# Altium PCB BetaPCB.PcbDoc (part 1 of 2)
Units mil, origin at the board's own origin, x right, y up, seen from the top; angles counter-clockwise.
Board outline 6399.21 x 5314.96 mil, 4 copper layers (Top Layer1, Inner Layer2, Inner Layer3, Bottom Layer4), stack 60.912 mil thick; 153 components, 99 nets, 653 pads, 600 vias.
Unrouted connection lines stored in the file: 55.
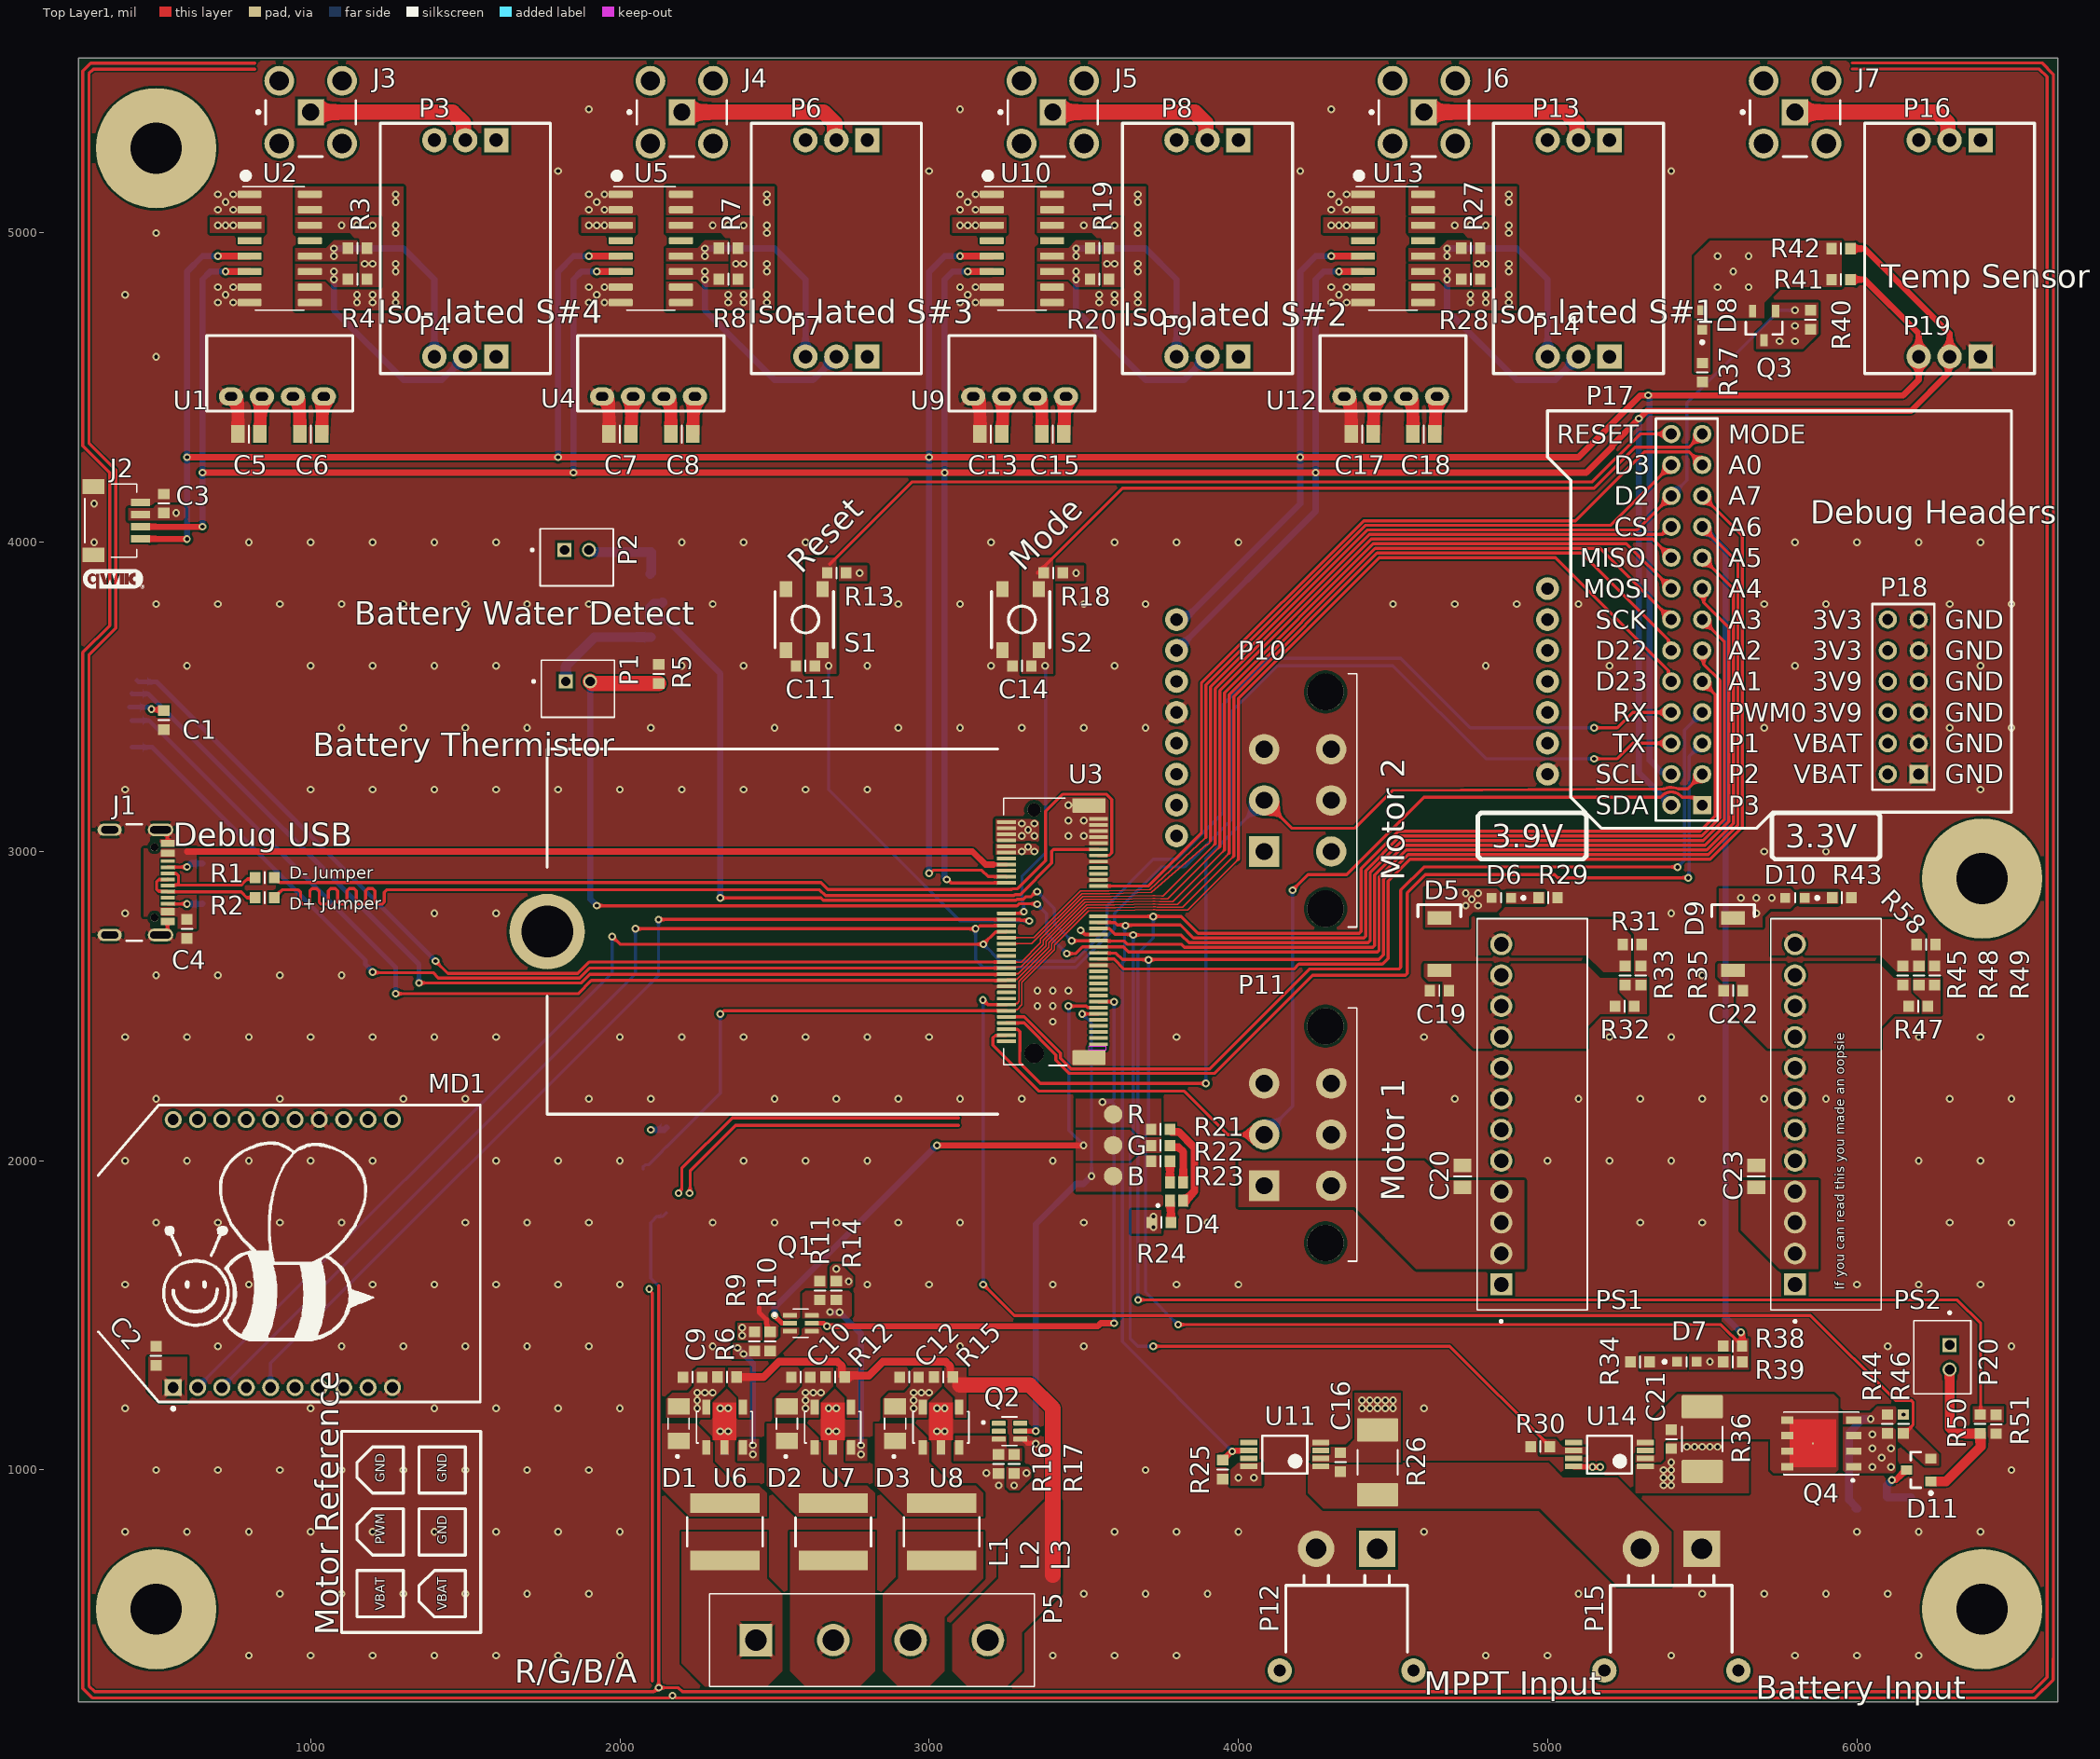
[diagram p0: Top Layer1 view]
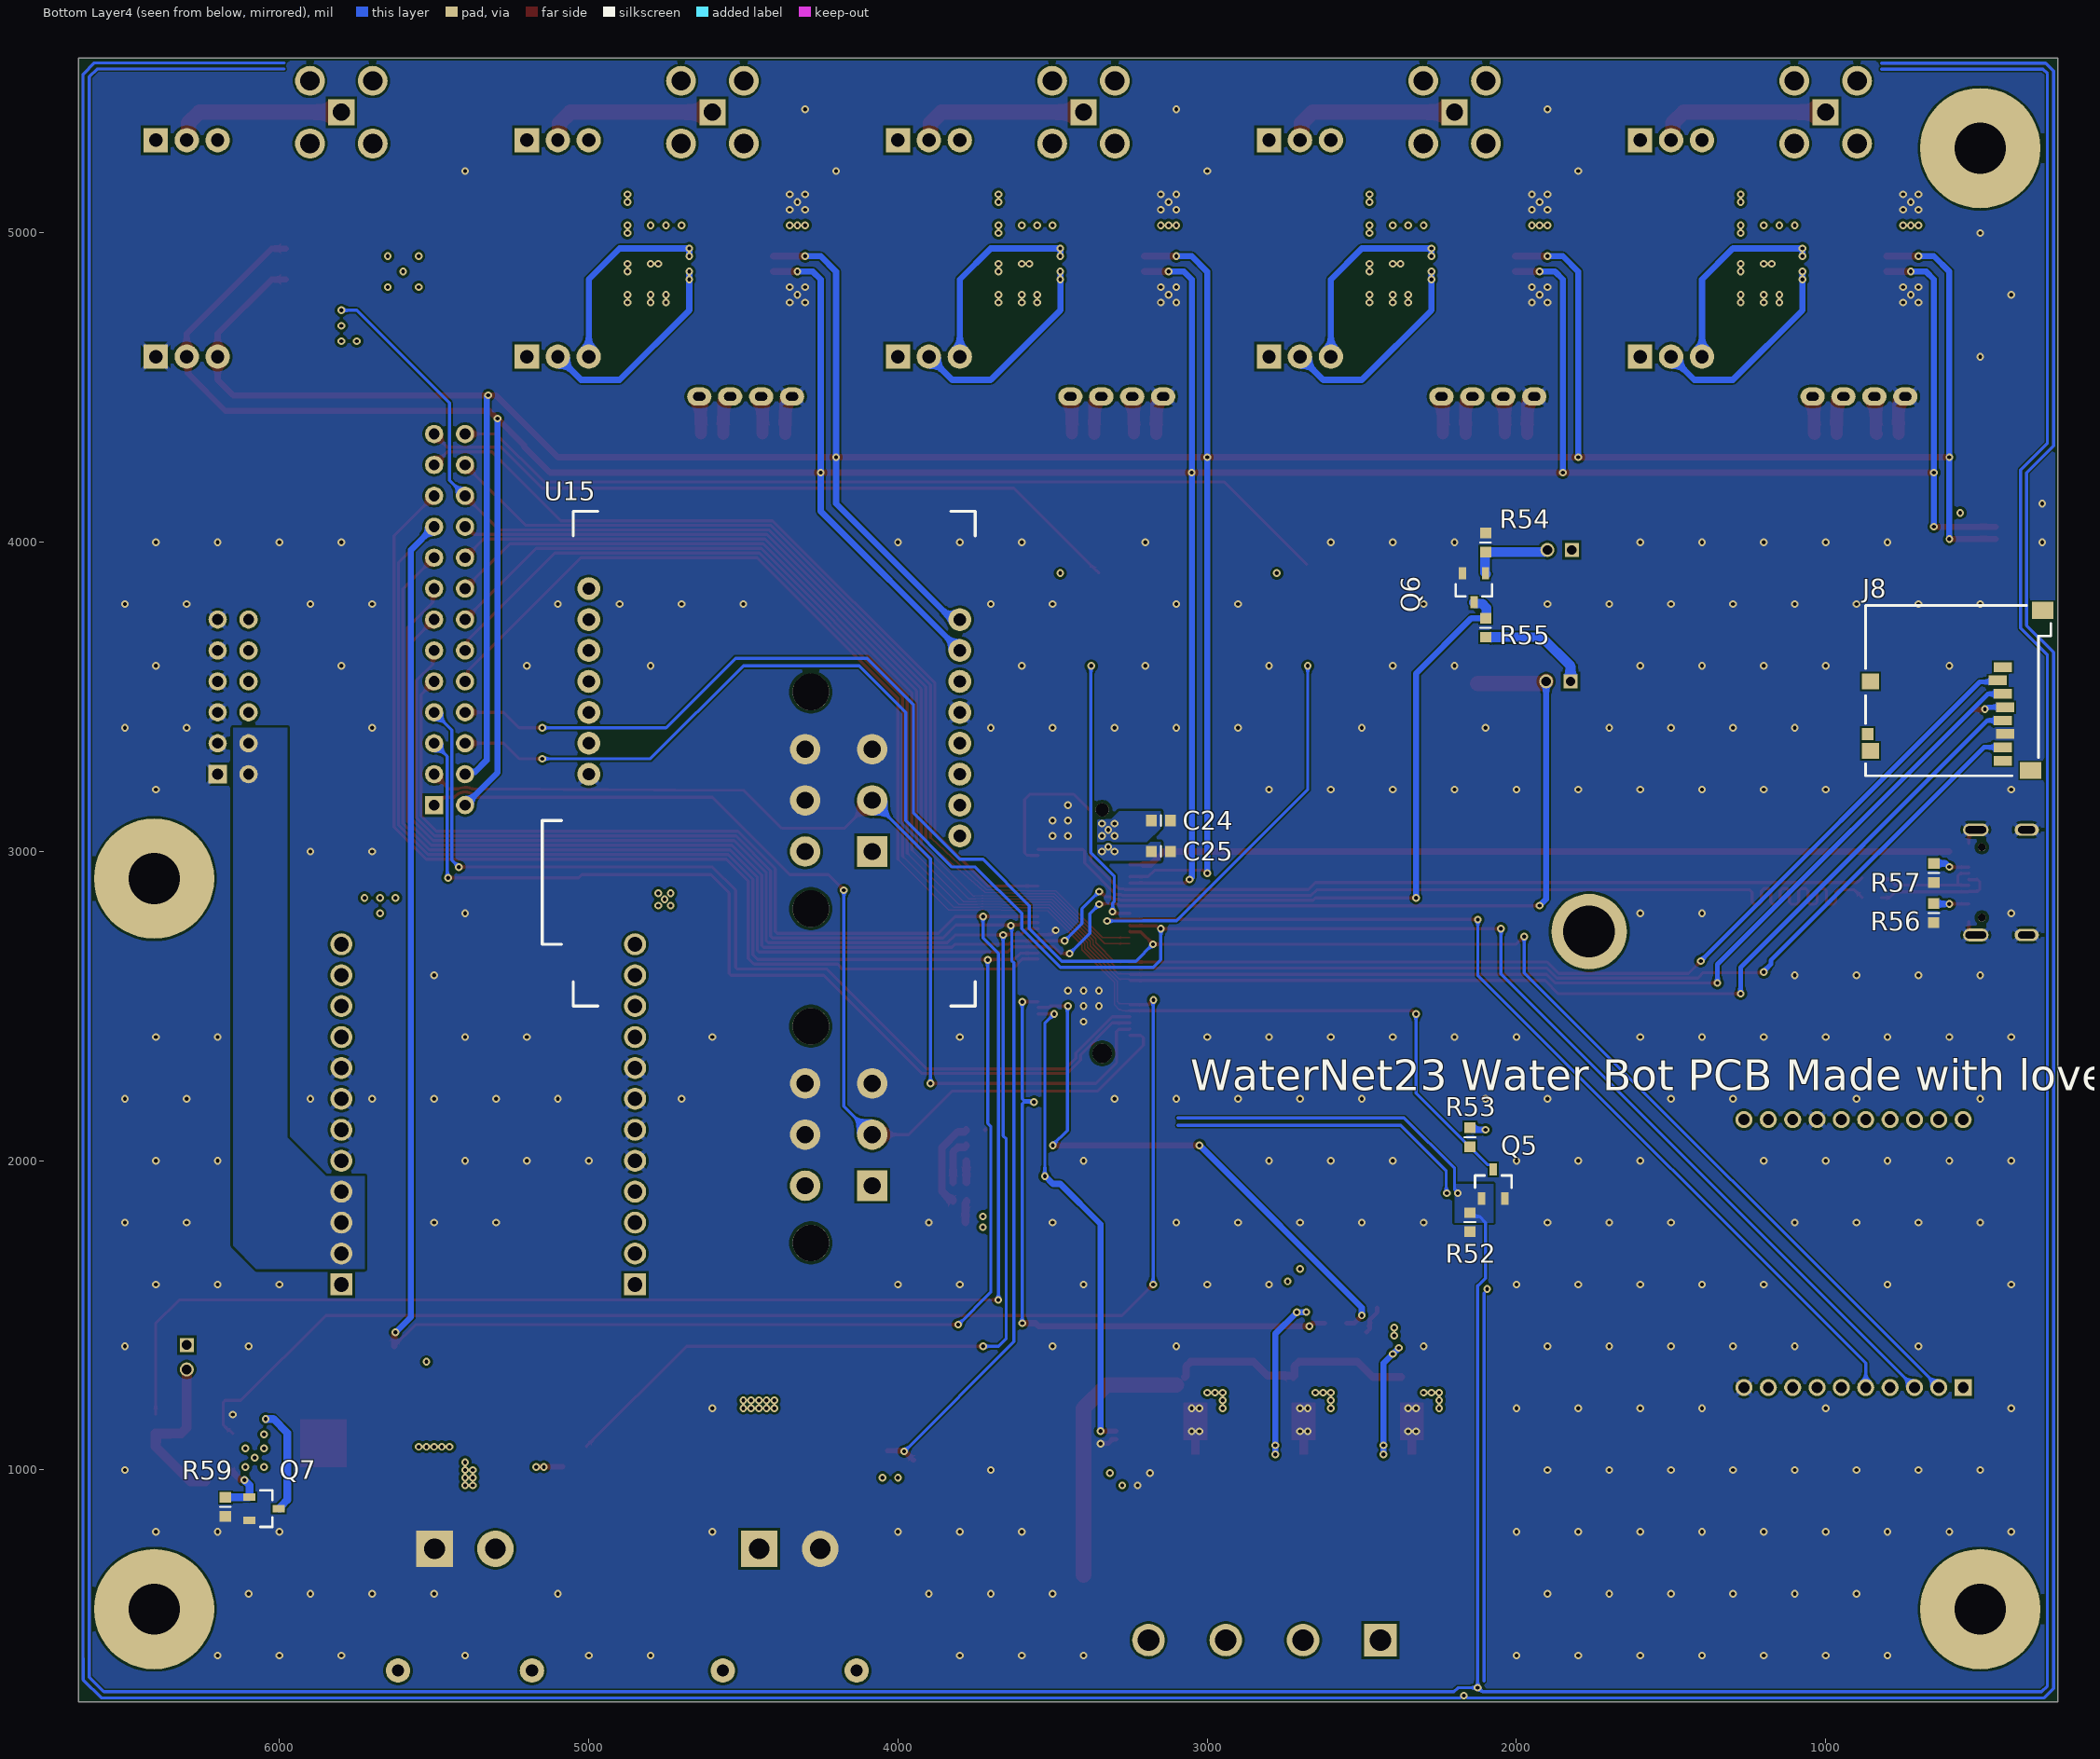
[diagram p1: Bottom Layer4 view, seen from below]
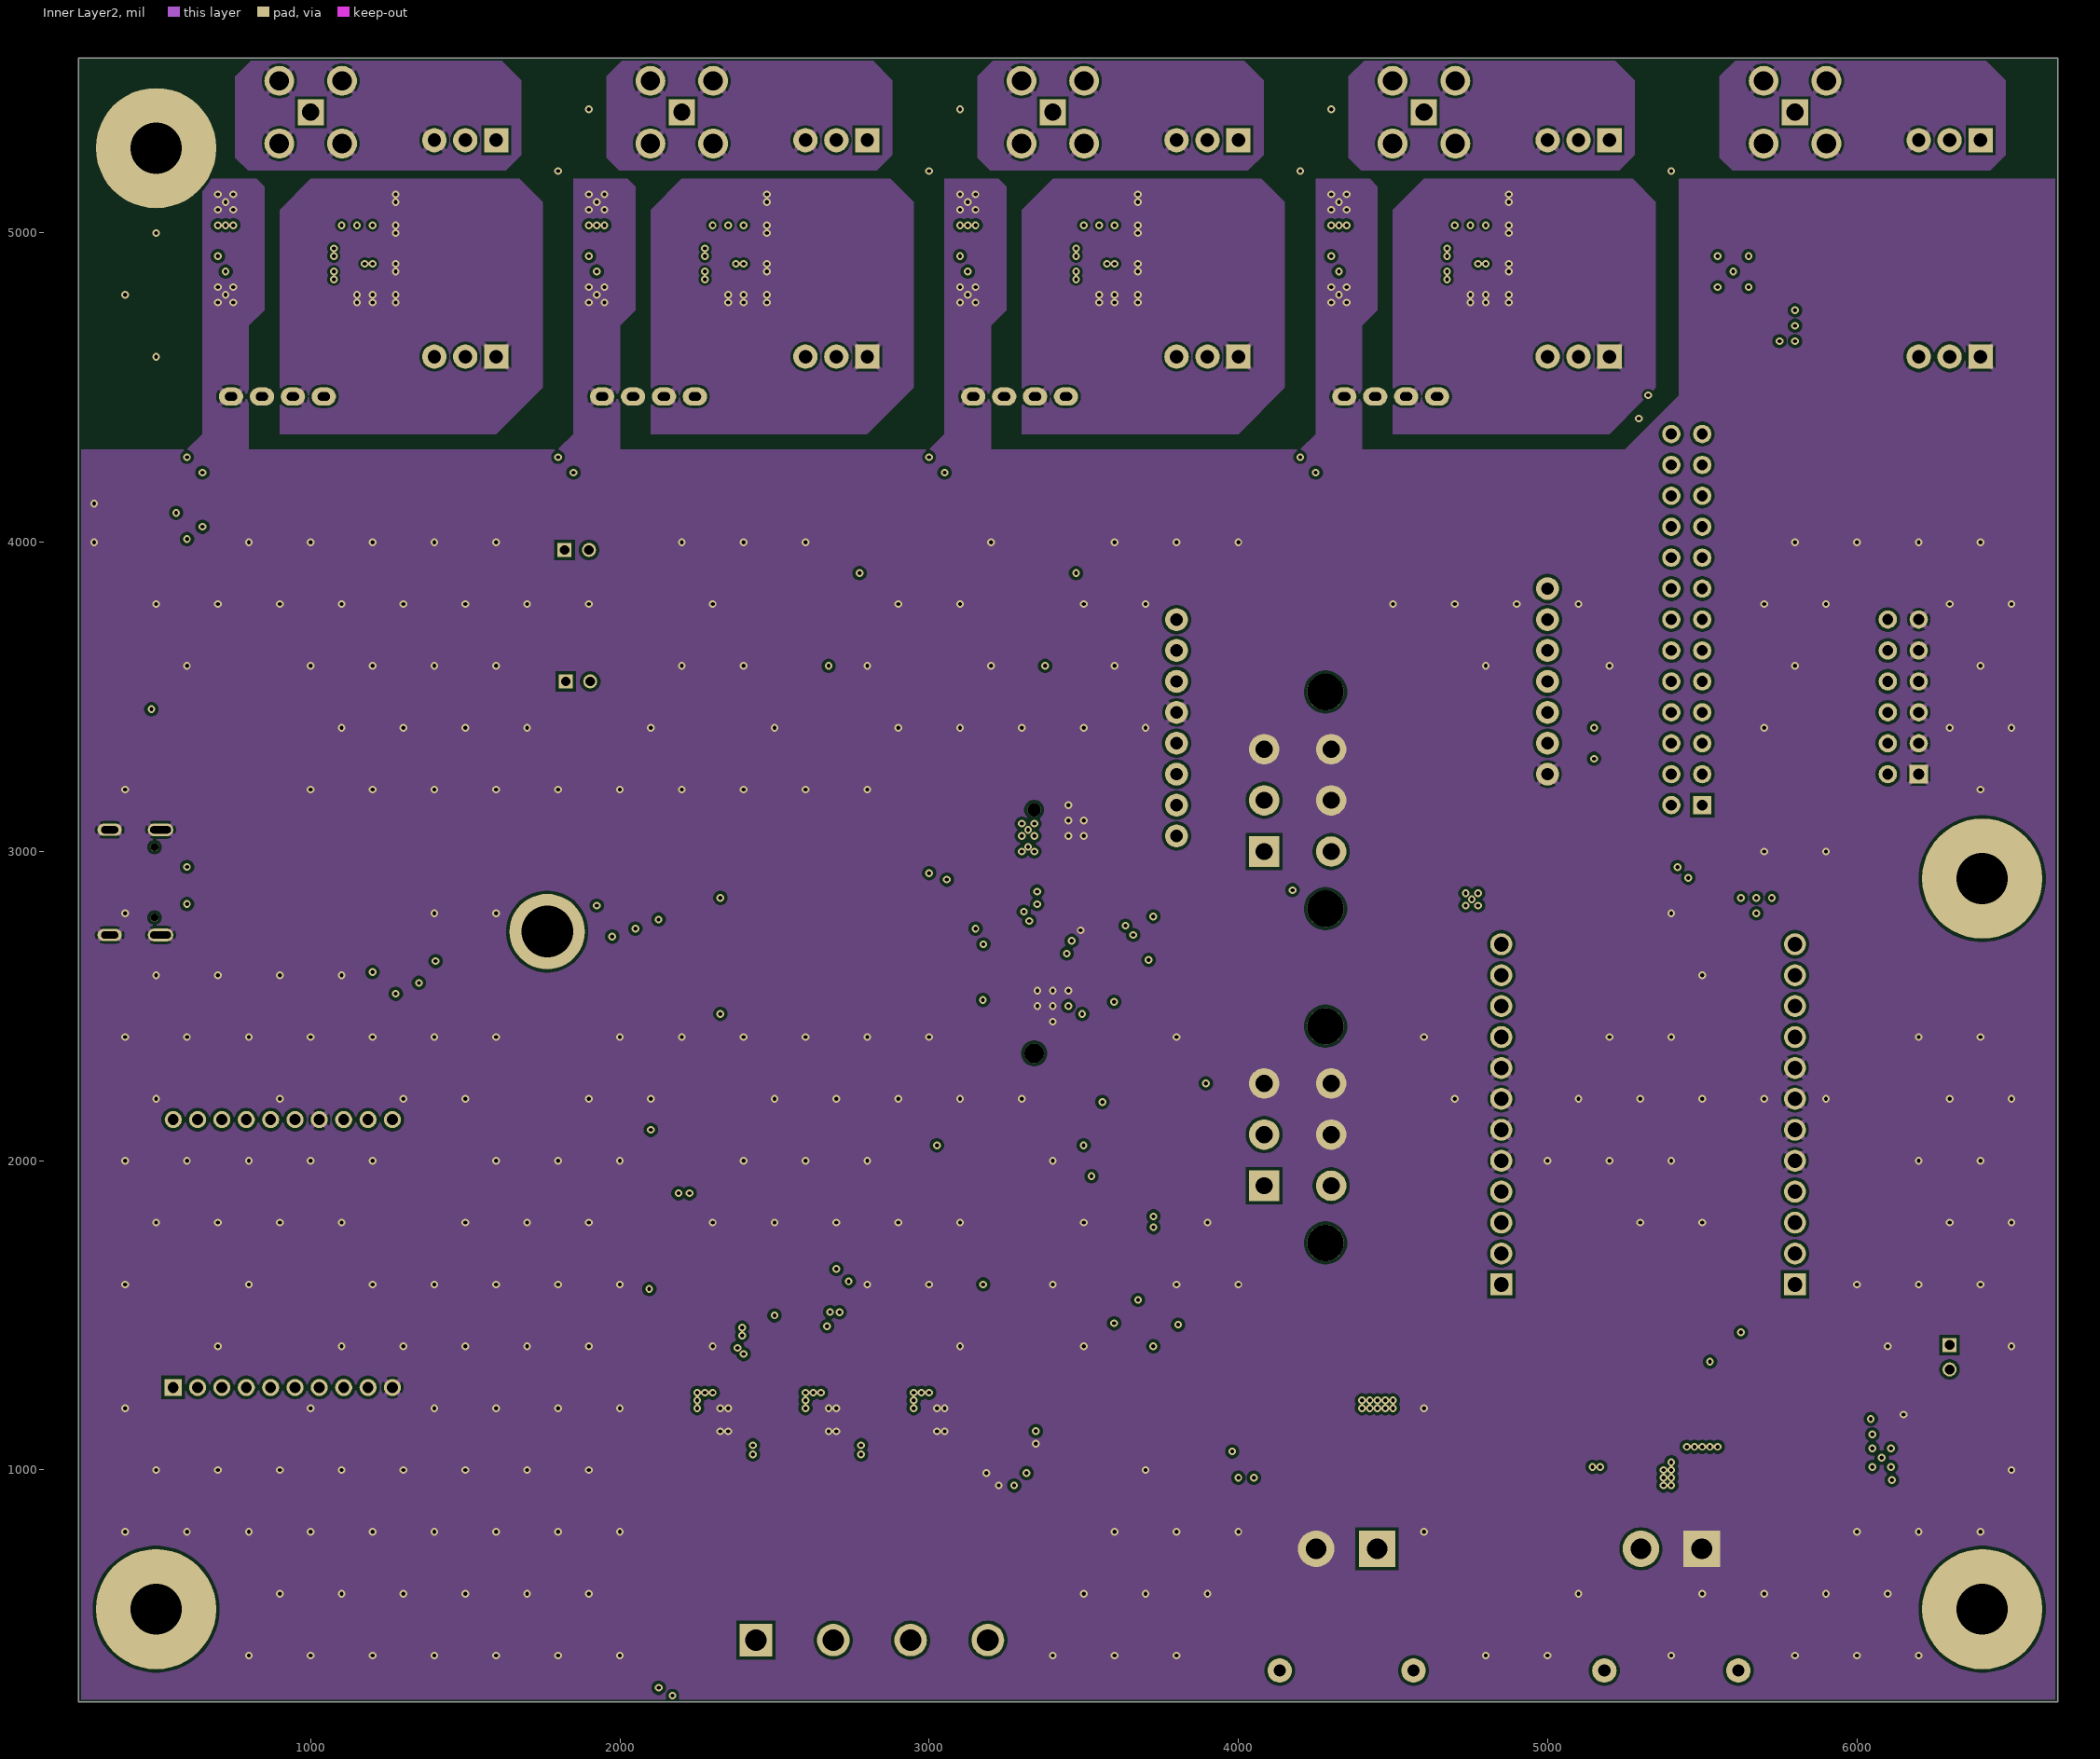
[diagram p2: Inner Layer2]